# KiCad board TRS80_Model_I_Jap20_E1.kicad_pcb (continued)
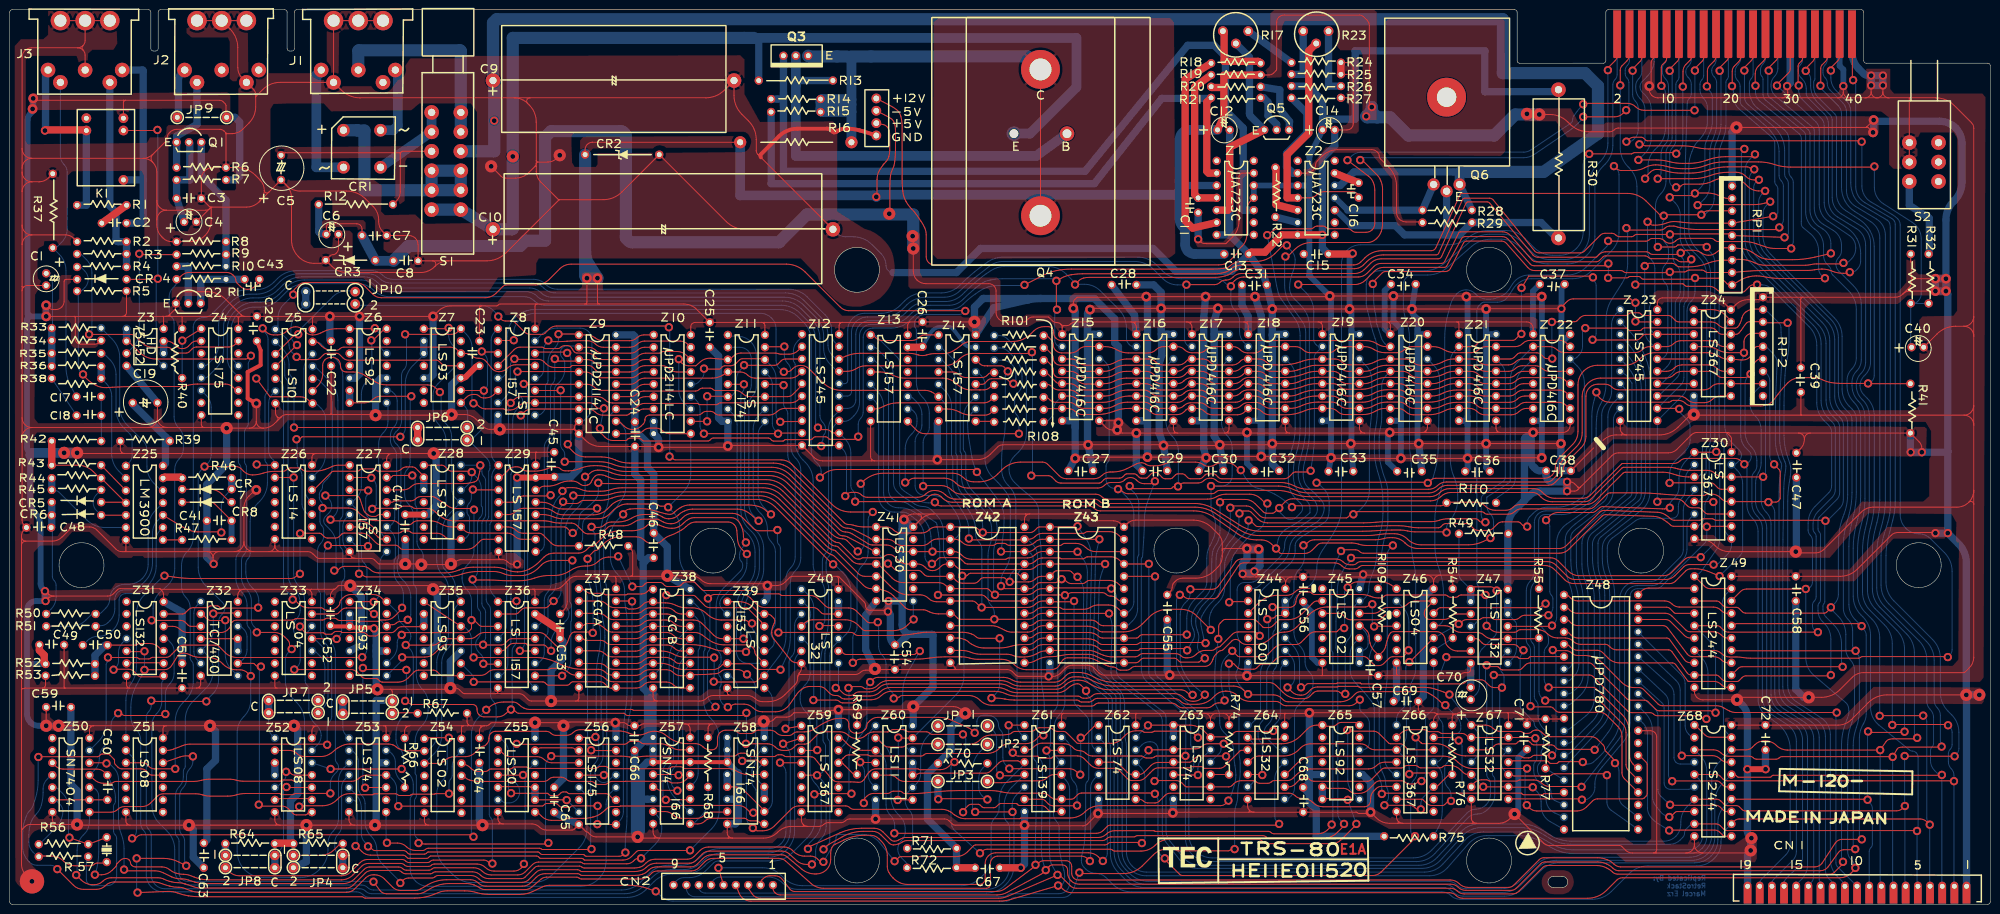
[diagram p0: board, top side]
## Library data of the parts (continued)
Z13 Z14 = -: Datasheet: http://www.ti.com/lit/gpn/sn74LS157; Description: Quad 2 to 1 line Multiplexer; ki_fp_filters: DIP?16*
Z15-Z22 = -: Datasheet: https://wiki.console5.com/tw/images/8/85/MK4116.pdf; Description: 16kBit x 1 Bit Dynamic RAM
Z24 Z59 Z66 = -: Datasheet: https://www.ti.com/lit/ds/symlink/sn74ls367a.pdf; Description: Hex buffer 3-State outputs; ki_fp_filters: DIP*W7.62mm*
Z25 = -: Datasheet: https://www.ti.com/lit/ds/symlink/lm3900.pdf; ki_fp_filters: SOIC*3.9x4.9mm*P1.27mm* DIP*W7.62mm* MSOP*3x3mm*P0.65mm* SSOP*2.95x2.8mm*P0.65mm* TSSOP*3x3mm*P0.65mm* VSSOP*P0.5mm* TO?99*
Z26 = -: Datasheet: http://www.ti.com/lit/gpn/sn74LS14; Description: Hex inverter schmitt trigger; ki_fp_filters: DIP*W7.62mm*
Z30 = -: Datasheet: https://www.ti.com/lit/ds/symlink/sn74ls367a.pdf; ki_fp_filters: DIP*W7.62mm*
Z31 = -: Datasheet: http://www.ti.com/lit/gpn/sn74LS132; ki_fp_filters: DIP*W7.62mm*
Z32 = -: Datasheet: http://www.ti.com/lit/gpn/sn74ls00; ki_fp_filters: DIP*W7.62mm* SO14*
Z33 Z46 Z50 = -: Datasheet: http://www.ti.com/lit/gpn/sn74LS04; Description: Hex Inverter; ki_fp_filters: DIP*W7.62mm* SSOP?14* TSSOP?14*
Z39 = -: Datasheet: http://www.ti.com/lit/gpn/sn74LS153; ki_fp_filters: DIP?16*
Z40 Z64 = -: Datasheet: http://www.ti.com/lit/gpn/sn74LS32; Description: Quad 2-input OR; ki_fp_filters: DIP?14*
Z41 = -: Datasheet: http://www.ti.com/lit/gpn/sn74LS30; Description: 8-input NAND; ki_fp_filters: DIP*W7.62mm*
Z42 = -: Datasheet: https://archive.org/details/mos_2364_rom_feb_1980
Z43 = -: Datasheet: http://archive.6502.org/datasheets/mos_2332_rom_feb_1980.pdf; Description: 2332 32kBit (4kb x 8) PROM
Z44 = -: Datasheet: http://www.ti.com/lit/gpn/sn74ls00; Description: quad 2-input NAND gate; ki_fp_filters: DIP*W7.62mm* SO14*
Z45 = -: Datasheet: http://www.ti.com/lit/gpn/sn74ls02; Description: quad 2-input NOR gate; ki_fp_filters: SO14* DIP*W7.62mm*
Z47 = -: Datasheet: http://www.ti.com/lit/gpn/sn74LS132; Description: Quad 2-input NAND Schmitt trigger; ki_fp_filters: DIP*W7.62mm*
Z48 = -: Datasheet: https://www.zilog.com/docs/z80/um0080.pdf
Z49 Z68 = -: Datasheet: http://www.ti.com/lit/ds/symlink/sn74ls244.pdf; Description: Octal Buffer and Line Driver With 3-State Output, active-low enables, non-inverting outputs; ki_fp_filters: DIP?20*
Z51 Z52 = -: Datasheet: http://www.ti.com/lit/gpn/sn74LS08; Description: Quad And2; ki_fp_filters: DIP*W7.62mm*
Z53 Z63 = -: Datasheet: 74xx/74hc_hct74.pdf; ki_fp_filters: DIP*W7.62mm*
Z54 = -: Datasheet: http://www.ti.com/lit/gpn/sn74ls02; ki_fp_filters: SO14* DIP*W7.62mm*
Z55 = -: Datasheet: http://www.ti.com/lit/gpn/sn74LS20; ki_fp_filters: DIP?12*
Z56 = -: Datasheet: http://www.ti.com/lit/gpn/sn74LS175; ki_fp_filters: DIP?16*
Z57 Z58 = -: Datasheet: http://www.ti.com/lit/gpn/sn74LS166; ki_fp_filters: DIP?16*
Z60 = -: Datasheet: http://www.ti.com/lit/gpn/sn74LS11; Description: Triple 3-input AND; ki_fp_filters: DIP*W7.62mm*
Z61 = -: Datasheet: http://www.ti.com/lit/ds/symlink/sn74ls139a.pdf; Description: Dual Decoder 1 of 4, Active low outputs; ki_fp_filters: DIP?16*
Z62 = -: Datasheet: 74xx/74hc_hct74.pdf; Description: Dual D Flip-flop, Set & Reset; ki_fp_filters: DIP*W7.62mm*
Z67 = -: Datasheet: http://www.ti.com/lit/gpn/sn74LS32; ki_fp_filters: DIP?14*

## Footprints (pads in the part's own frame, mm; a bottom-side part is the same pattern mirrored in y, then rotated)
TRS80_Model_I_C_Disc_9.5L_4W_6P_Jap
  round 1.7 hole 1: 1(-2.493,0.036) 2(2.587,0.036)
TRS80_Model_I_C_Disc_9.5L_4W_6P_Small_Jap
  round 1.7 hole 1: 1(-1.571,0) 2(1.477,0)
TRS80_Model_I_C_Disc_9.5L_4W_6P_Small_Jap#2
  round 1.7 hole 1: 1(-1.905,0) 2(1.905,0)
TRS80_Model_I_C_Pol_Axial_41L_19W_48P_Jap
  round 3 hole 1.5: 1(-24.511,0) 2(25.019,0)
TRS80_Model_I_C_Pol_Axial_63L_25W_71P_Jap
  round 3 hole 1.5: 1(-34.798,0) 2(35.052,0)
TRS80_Model_I_C_Pol_Radial_5D_2.5P_Jap
  round 1.7 hole 1: 1(-1.25,0) 2(1.25,0)
TRS80_Model_I_C_Pol_Radial_10D_5P_Jap
  round 1.7 hole 1: 1(-2.54,0) 2(2.54,0)
TRS80_Model_I_Crystal_Jap
  round 1.7 hole 1: 1(-2.526,0) 2(2.554,0)
TRS80_Model_I_D_Bridge_Jap
  round 2.6 hole 1.5: 1(-4.128,3.619) 2(3.493,3.619) 3(-4.128,-4) 4(3.493,-4)
TRS80_Model_I_D_Jap
  round 1.7 hole 1: 1(-5.08,0) 2(5.08,0)
TRS80_Model_I_D_Zener_Jap
  round 1.7 hole 1: 1(-5.029,0) 2(5.131,0)
TRS80_Model_I_D_Zener_Long_Jap
  round 1.7 hole 1: 1(-7.684,0) 2(7.556,0)
TRS80_Model_I_DIN5_Jap
  round 3 hole 1.5: 1(7.747,3.556) 2(0.127,3.556) 3(-7.493,3.556) 4(5.207,6.096) 5(-4.953,6.096)
  round 4 hole 2.5: 5(-4.953,-6.604) 5(0.127,-6.604) 5(5.207,-6.604)
TRS80_Model_I_DIN5_Jap#2
  round 3 hole 1.5: 1(7.747,3.556) 2(0.127,3.556) 3(-7.493,3.556) 4(5.207,6.096) 5(-4.953,6.096)
  round 4 hole 2.5: 4(-4.953,-6.604) 4(0.127,-6.604) 4(5.207,-6.604)
TRS80_Model_I_DIN5_Jap#3
  round 3 hole 1.5: 1(7.747,3.556) 2(0.127,3.556) 3(-7.493,3.556) 4(5.207,6.096) 5(-4.953,6.096)
  round 4 hole 2.5: 2(-4.953,-6.604) 2(0.127,-6.604) 2(5.207,-6.604)
TRS80_Model_I_DIP8_Jap
  round 1.7 hole 1: 1(-3.81,-3.81) 2(-1.27,-3.81) 3(1.27,-3.81) 4(3.81,-3.81) 5(3.81,3.81) 6(1.27,3.81) 7(-1.27,3.81) 8(-3.81,3.81)
TRS80_Model_I_DIP14_Jap
  round 1.7 hole 1: 1(-7.62,-3.81) 2(-5.08,-3.81) 3(-2.54,-3.81) 4(0,-3.81) 5(2.54,-3.81) 6(5.08,-3.81) 7(7.62,-3.81) 8(7.62,3.81) 9(5.08,3.81) 10(2.54,3.81) 11(0,3.81) 12(-2.54,3.81) 13(-5.08,3.81) 14(-7.62,3.81)
TRS80_Model_I_DIP16_Jap
  round 1.7 hole 1: 1(-8.89,-3.81) 2(-6.35,-3.81) 3(-3.81,-3.81) 4(-1.27,-3.81) 5(1.27,-3.81) 6(3.81,-3.81) 7(6.35,-3.81) 8(8.89,-3.81) 9(8.89,3.81) 10(6.35,3.81) 11(3.81,3.81) 12(1.27,3.81) 13(-1.27,3.81) 14(-3.81,3.81) 15(-6.35,3.81) 16(-8.89,3.81)
TRS80_Model_I_DIP18_Jap
  round 1.7 hole 1: 1(-10.16,-3.81) 2(-7.62,-3.81) 3(-5.08,-3.81) 4(-2.54,-3.81) 5(0,-3.81) 6(2.54,-3.81) 7(5.08,-3.81) 8(7.62,-3.81) 9(10.16,-3.81) 10(10.16,3.81) 11(7.62,3.81) 12(5.08,3.81) 13(2.54,3.81) 14(0,3.81) 15(-2.54,3.81) 16(-5.08,3.81) 17(-7.62,3.81) 18(-10.16,3.81)
TRS80_Model_I_DIP20_Jap
  round 1.7 hole 1: 1(-11.43,-3.81) 2(-8.89,-3.81) 3(-6.35,-3.81) 4(-3.81,-3.81) 5(-1.27,-3.81) 6(1.27,-3.81) 7(3.81,-3.81) 8(6.35,-3.81) 9(8.89,-3.81) 10(11.43,-3.81) 11(11.43,3.81) 12(8.89,3.81) 13(6.35,3.81) 14(3.81,3.81) 15(1.27,3.81) 16(-1.27,3.81) 17(-3.81,3.81) 18(-6.35,3.81) 19(-8.89,3.81) 20(-11.43,3.81)
TRS80_Model_I_DIP24_Jap
  round 1.7 hole 1: 1(-13.97,-7.62) 2(-11.43,-7.62) 3(-8.89,-7.62) 4(-6.35,-7.62) 5(-3.81,-7.62) 6(-1.27,-7.62) 7(1.27,-7.62) 8(3.81,-7.62) 9(6.35,-7.62) 10(8.89,-7.62) 11(11.43,-7.62) 12(13.97,-7.62) 13(13.97,7.62) 14(11.43,7.62) 15(8.89,7.62) 16(6.35,7.62) 17(3.81,7.62) 18(1.27,7.62) 19(-1.27,7.62) 20(-3.81,7.62) 21(-6.35,7.62) 22(-8.89,7.62) 23(-11.43,7.62) 24(-13.97,7.62)
TRS80_Model_I_DIP40_Jap
  round 1.7 hole 1: 1(-24.13,-7.62) 2(-21.59,-7.62) 3(-19.05,-7.62) 4(-16.51,-7.62) 5(-13.97,-7.62) 6(-11.43,-7.62) 7(-8.89,-7.62) 8(-6.35,-7.62) 9(-3.81,-7.62) 10(-1.27,-7.62) 11(1.27,-7.62) 12(3.81,-7.62) 13(6.35,-7.62) 14(8.89,-7.62) 15(11.43,-7.62) 16(13.97,-7.62) 17(16.51,-7.62) 18(19.05,-7.62) 19(21.59,-7.62) 20(24.13,-7.62) 21(24.13,7.62) 22(21.59,7.62) 23(19.05,7.62) 24(16.51,7.62) 25(13.97,7.62) 26(11.43,7.62) 27(8.89,7.62) 28(6.35,7.62) 29(3.81,7.62) 30(1.27,7.62) 31(-1.27,7.62) 32(-3.81,7.62) 33(-6.35,7.62) 34(-8.89,7.62) 35(-11.43,7.62) 36(-13.97,7.62) 37(-16.51,7.62) 38(-19.05,7.62) 39(-21.59,7.62) 40(-24.13,7.62)
TRS80_Model_I_Edge_Connector_Jap
  rrect 1.6x9.8 smd far side: 1(-22.86,0) 3(-20.32,0) 5(-17.78,0) 7(-15.24,0) 9(-12.7,0) 11(-10.16,0) 13(-7.62,0) 15(-5.08,0) 17(-2.54,0) 19(0,0) 21(2.54,0) 23(5.08,0) 25(7.62,0) 27(10.16,0) 29(12.7,0) 31(15.24,0) 33(17.78,0) 35(20.32,0) 37(22.86,0) 39(25.4,0)
  rrect 1.6x9.8 smd: 2(-22.86,0) 4(-20.32,0) 6(-17.78,0) 8(-15.24,0) 10(-12.7,0) 12(-10.16,0) 14(-7.62,0) 16(-5.08,0) 18(-2.54,0) 20(0,0) 22(2.54,0) 24(5.08,0) 26(7.62,0) 28(10.16,0) 30(12.7,0) 32(15.24,0) 34(17.78,0) 36(20.32,0) 38(22.86,0) 40(25.4,0)
TRS80_Model_I_Jumper_2_Open_Jap
  round 2 hole 1: 1(-5.08,-0.022) 2(5.08,-0.022)
TRS80_Model_I_Jumper_3_Open_HFlipped_Big_Jap
  round 2 hole 1: 1(5.08,1.248) 2(-5.08,1.248) 2(-5.08,-1.292) 3(5.08,-1.292)
TRS80_Model_I_Jumper_3_Open_HFlipped_Jap
  round 2 hole 1: 1(5.08,1.248) 2(-5.08,1.248) 2(-5.08,-1.292) 3(5.08,-1.292)
TRS80_Model_I_Jumper_3_Open_HFlipped_VFlipped_Jap
  round 2 hole 1: 1(5.08,-1.292) 2(-5.08,1.248) 2(-5.08,-1.292) 3(5.08,1.248)
TRS80_Model_I_Jumper_3_Open_Jap
  round 2 hole 1: 1(-5.08,1.248) 2(5.08,1.248) 2(5.08,-1.292) 3(-5.08,-1.292)
TRS80_Model_I_Keyboard_Connector_Jap
  rrect 1.6x4.5 hole 1: 1(22.5,0) 2(20,0) 3(17.5,0) 4(15,0) 5(12.5,0) 6(10,0) 7(7.5,0) 8(5,0) 9(2.5,0) 10(0,0) 11(-2.5,0) 12(-5,0) 13(-7.5,0) 14(-10,0) 15(-12.5,0) 16(-15,0) 17(-17.5,0) 18(-20,0) 19(-22.5,0)
TRS80_Model_I_Keyboard_Connector_Small_Jap
  round 1.7 hole 1: 1(10.16,0) 2(7.62,0) 3(5.08,0) 4(2.54,0) 5(0,0) 6(-2.54,0) 7(-5.08,0) 8(-7.62,0) 9(-10.287,0)
TRS80_Model_I_Q_Box_BCE_Jap
  round 1.7 hole 1: 1(-2.688,-0.011) 2(-0.147,-0.011) 3(2.393,-0.011)
TRS80_Model_I_Q_Circle_ECB_Jap
  round 1.7 hole 1: 1(-2.54,0) 2(0,0) 3(2.54,0)
TRS80_Model_I_Q_Heatsink_Large_BEC_Jap
  round 3 hole 1.8: 1(5.436,1.524) 2(-5.475,1.524)
  round 8 hole 4.5: 3(-0.014,14.732) 3(-0.014,-15.367)
TRS80_Model_I_Q_Heatsink_Small_BCE_Jap
  round 2.5 hole 1.5: 1(-2.667,-17.945) 2(0,-19.341) 3(2.667,-17.945)
  round 8 hole 4: 4(0,0)
TRS80_Model_I_R_0.5W_Jap
  round 1.7 hole 1: 1(-7.62,0.041) 2(7.62,0.041)
TRS80_Model_I_R_0.25W_Jap
  round 1.7 hole 1: 1(-5.08,0.064) 2(5.08,0.064)
TRS80_Model_I_R_2W_Jap
  round 2.5 hole 1.25: 1(-11.43,0) 2(11.43,0)
TRS80_Model_I_R_3W_Jap
  round 3 hole 1.5: 1(-15.875,0) 2(14.625,0)
TRS80_Model_I_R_Array_09_Jap
  round 1.7 hole 1: 1(-10.16,0) 2(-7.62,0) 3(-5.08,0) 4(-2.54,0) 5(0,0) 6(2.54,0) 7(5.08,0) 8(7.62,0) 9(10.16,0)
TRS80_Model_I_R_Pot_Jap
  round 2 hole 1.2: 1(-2.667,0.762) 2(0,-1.778) 3(2.54,0.762)
TRS80_Model_I_Relay_Jap
  round 2 hole 1: 1(3.603,6.064) 2(3.603,3.524) 3(3.603,-6.636) 4(-4.016,3.524) 5(-4.016,6.064)
TRS80_Model_I_Sw_Large_Jap
  round 3 hole 1.5: 1(-10.241,2.831) 2(-6.241,2.831) 3(-2.241,2.831) 4(1.759,2.831) 5(5.759,2.831) 6(9.759,2.831) 7(9.759,-3.169) 8(5.759,-3.169) 9(1.759,-3.169) 10(-2.241,-3.169) 11(-6.241,-3.169) 12(-10.241,-3.169)
TRS80_Model_I_Sw_Small_Jap
  round 3 hole 1.5: 1(-2.476,3) 2(1.524,3) 3(5.524,3) 4(5.524,-3) 5(1.524,-3) 6(-2.476,-3)
TRS80_Model_I_TestPoints
  round 2 hole 1.2: 1(0.032,3.81) 2(0.032,1.27) 3(0.032,-1.27) 4(0.032,-3.81)

## Nets
+5V: C12.1 C13.1 C20.1 C22.1 C23.1 C24.1 C25.1 C26.1 C29.1 C32.1 C35.1 C38.1 C39.1 C44.1 C45.1 C46.1 C47.1 C49.1 C51.1 C52.1 C53.1 C54.1 C55.1 C56.1 C58.1 C59.1 C63.1 C64.1 C65.1 C66.1 C67.1 C68.1 C69.1 C71.1 C72.1 CN1.1 CR2.1 CR4.1 JP9.1 K1.1 Q2.1 R5.2 R7.1 R16.2 R19.1 R20.2 R31.1 R34.2 R39.2 R40.1 R41.1 R48.1 R49.1 R52.2 R54.1 R55.1 R64.1 R65.2 R66.2 R67.2 R68.2 R69.1 R70.2 R71.2 R72.2 R74.1 R75.1 R76.1 R77.1 RP1.1 RP2.1 TP1.3 Z1.3 Z3.8 Z4.16 Z5.14 Z6.5 Z7.5 Z8.16 Z9.18 Z10.18 Z11.16 Z12.20 Z13.16 Z14.16 Z15.9 Z16.9 Z17.9 Z18.9 Z19.9 Z20.9 Z21.9 Z22.9 Z23.20 Z24.16 Z26.14 Z27.16 Z28.5 Z29.16 Z30.16 Z31.14 Z32.14 Z33.14 Z34.5 Z35.5 Z36.16 Z37.18 Z38.18 Z39.16 Z40.14 Z41.14 Z42.24 Z43.24 Z44.14 Z45.14 Z46.14 Z47.14 Z48.11 Z49.20 Z50.14 Z51.14 Z52.14 Z53.14 Z54.14 Z55.14 Z56.16 Z57.16 Z58.16 Z59.16 Z60.14 Z61.16 Z62.14 Z63.14 Z64.14 Z65.5 Z66.16 Z67.14 Z68.20
+12V: C14.1 C15.1 C27.1 C30.1 C33.1 C36.1 R26.1 R30.1 TP1.1 Z1.11 Z1.12 Z2.3 Z15.8 Z16.8 Z17.8 Z18.8 Z19.8 Z20.8 Z21.8 Z22.8
-5V: C6.2 C7.1 C8.1 C28.1 C31.1 C34.1 C37.1 CR3.2 R12.1 TP1.2 Z15.1 Z16.1 Z17.1 Z18.1 Z19.1 Z20.1 Z21.1 Z22.1
GND: C1.2 C3.2 C4.2 C5.1 C6.1 C7.2 C8.2 C9.2 C10.2 C12.2 C13.2 C14.2 C15.2 C19.1 C20.2 C22.2 C23.2 C24.2 C25.2 C26.2 C27.2 C28.2 C29.2 C30.2 C31.2 C32.2 C33.2 C34.2 C35.2 C36.2 C37.2 C38.2 C39.2 C40.2 C41.1 C44.2 C45.2 C46.2 C47.2 C48.1 C49.2 C51.2 C52.2 C53.2 C54.2 C55.2 C56.2 C57.1 C58.2 C59.2 C63.2 C64.2 C65.2 C66.2 C67.2 C68.2 C69.2 C70.2 C71.2 C72.2 CN1.19 CR2.2 CR3.1 J1.4 J2.5 J3.2 J4.8 J4.29 J4.37 J4.39 JP4.3 JP5.1 R2.1 R6.2 R8.2 R24.2 R25.2 R27.2 R37.1 R53.1 S2.5 S2.6 TP1.4 Z1.7 Z2.7 Z3.4 Z4.8 Z5.7 Z6.10 Z7.10 Z8.8 Z8.15 Z9.8 Z9.9 Z10.8 Z10.9 Z11.8 Z12.10 Z13.8 Z13.15 Z14.8 Z14.15 Z15.16 Z16.16 Z17.16 Z18.16 Z19.16 Z20.16 Z21.16 Z22.16 Z23.10 Z23.19 Z24.8 Z25.7 Z26.7 Z27.5 Z27.8 Z27.15 Z28.10 Z29.8 Z29.15 Z30.8 Z31.7 Z32.7 Z33.7 Z34.2 Z34.3 Z34.10 Z35.10 Z36.8 Z36.15 Z37.9 Z38.9 Z39.1 Z39.8 Z39.15 Z40.7 Z41.7 Z42.12 Z43.12 Z44.7 Z45.7 Z46.7 Z47.7 Z48.29 Z49.10 Z50.7 Z51.7 Z52.7 Z53.7 Z53.12 Z54.7 Z55.7 Z56.8 Z57.1 Z57.2 Z57.3 Z57.6 Z57.8 Z57.14 Z58.1 Z58.2 Z58.3 Z58.6 Z58.8 Z59.8 Z60.7 Z61.8 Z62.7 Z63.7 Z64.7 Z65.10 Z66.8 Z66.15 Z67.7 Z68.10
/A0: CN1.5 J4.25 Z14.2 Z36.11 Z41.6 Z42.8 Z43.8 Z68.9
/A1: CN1.4 J4.27 Z14.5 Z36.2 Z41.5 Z42.7 Z43.7 Z68.12
/A2: CN1.6 J4.40 Z14.11 Z36.14 Z41.4 Z42.6 Z43.6 Z68.7
/A3: CN1.9 J4.34 Z14.14 Z36.5 Z41.3 Z42.5 Z43.5 Z68.14
/A4: CN1.2 J4.31 Z13.2 Z29.11 Z41.11 Z42.4 Z43.4 Z68.5
/A5: CN1.3 J4.35 Z13.5 Z29.2 Z41.12 Z42.3 Z43.3 Z68.16
/A6: CN1.7 J4.38 Z8.11 Z13.11 Z41.2 Z42.2 Z43.2 Z68.3
/A7: CN1.8 J4.36 Z8.14 Z14.3 Z41.1 Z42.1 Z43.1 Z68.18
/A8: CN2.1 J4.11 Z8.2 Z14.6 Z42.23 Z43.23 Z49.14
/A9: CN2.2 J4.17 Z8.5 Z14.10 Z42.22 Z43.22 Z49.16
/A10: CN2.3 J4.4 Z14.13 Z42.19 Z43.19 Z49.18 Z61.14
/A11: CN2.4 J4.9 Z13.3 Z42.18 Z43.18 Z49.3 Z61.13
/A12: J4.5 Z13.6 Z42.21 Z43.21 Z49.5 Z61.2
/A13: J4.6 Z13.10 Z49.7 Z61.3
/A14: J4.10 Z44.12 Z44.13 Z49.12 Z64.1
/A15: J4.7 Z49.9 Z64.5
/Address Decoder/~{CS1}: CN2.5 Z60.10 Z60.11 Z61.4
/Address Decoder/~{CS2}: CN2.6 JP1.1 Z61.5
/Address Decoder/~{CS3}: CN2.7 JP2.1 Z61.6
/Address Decoder/~{CS4}: CN2.8 JP3.1 Z61.12
/Address Decoder/~{KYBD}: CN1.10 Z60.4 Z61.10
/Address Decoder/~{MEM}: Z24.1 Z24.15 Z30.15 Z40.8
/Address Decoder/~{RAM}: Z59.15 Z60.3 Z64.11
/Address Decoder/~{RAS}: J4.1 Z64.4 Z66.3 Z66.12
/Address Decoder/~{RD}: J4.15 Z29.5 Z30.5 Z40.10
/Address Decoder/~{ROMA}: Z42.20 Z60.8 Z60.13
/Address Decoder/~{ROMB}: JP2.2 R72.1 Z43.20 Z60.2
/Address Decoder/~{VID}: Z8.1 Z29.1 Z36.1 Z53.10 Z61.9
/Cassette Interface/CASSIN: C17.1 J3.4 R37.2
/Cassette Interface/CASSOUT: J3.5 R2.2 R3.2 R4.1
/Cassette Interface/MODESEL: Z4.6 Z27.1 Z59.2
/Cassette Interface/~{CGA}: Z37.17 Z53.5
/Cassette Interface/~{CGB}: Z38.17 Z53.6
/Cassette Interface/~{INSIG}: Z40.3 Z59.1
/Cassette Interface/~{OUTSIG}: Z4.9 Z31.5 Z40.6 Z53.3
/Clock/CLK_DIV2: Z27.2 Z65.12
/Clock/~{CLK_EN}: Z6.6 Z6.7 Z46.8 Z65.6 Z65.7
/CPU Gating/MUX: J4.16 Z13.1 Z14.1 Z66.5
/CPU Gating/ZA0: Z48.30 Z68.11
/CPU Gating/ZA1: Z48.31 Z68.8
/CPU Gating/ZA2: Z48.32 Z68.13
/CPU Gating/ZA3: Z48.33 Z68.6
/CPU Gating/ZA4: Z48.34 Z68.15
/CPU Gating/ZA5: Z48.35 Z68.4
/CPU Gating/ZA6: Z48.36 Z68.17
/CPU Gating/ZA7: Z48.37 Z68.2
/CPU Gating/ZA8: Z48.38 Z49.6
/CPU Gating/ZA9: Z48.39 Z49.4
/CPU Gating/ZA10: Z48.40 Z49.2
/CPU Gating/ZA11: Z48.1 Z49.17
/CPU Gating/ZA12: Z48.2 Z49.15
/CPU Gating/ZA13: Z48.3 Z49.13
/CPU Gating/ZA14: Z48.4 Z49.8
/CPU Gating/ZA15: Z48.5 Z49.11
/CPU Gating/ZD0: Z23.3 Z48.14
/CPU Gating/ZD1: Z23.2 Z48.15
/CPU Gating/ZD2: Z23.5 Z48.12
/CPU Gating/ZD3: Z23.9 Z48.8
/CPU Gating/ZD4: Z23.8 Z48.7
/CPU Gating/ZD5: Z23.7 Z48.9
/CPU Gating/ZD6: Z23.6 Z48.10
/CPU Gating/ZD7: Z23.4 Z48.13
/CPU Gating/ZMUX: Z62.12 Z63.9 Z66.4
/CPU Gating/~{CAS}: J4.3 Z59.14 Z66.7
/CPU Gating/~{DBIN}: Z23.1 Z47.11
/CPU Gating/~{IN}: J4.19 Z30.9 Z40.1
/CPU Gating/~{OUT}: J4.12 Z30.7 Z40.5
/CPU Gating/~{TEST}: J4.23 R55.2 Z46.11 Z47.10 Z48.25
/CPU Gating/~{WR}: J4.13 R110.2 Z29.14 Z30.3
/CPU Gating/~{ZCAS}: Z62.8 Z66.6
/CPU Gating/~{ZIN}: Z30.10 Z67.8
/CPU Gating/~{ZOUT}: Z30.6 Z67.6
/CPU Gating/~{ZRAS}: Z48.19 Z66.2 Z67.2 Z67.13
/CPU Gating/~{ZRD}: Z30.4 Z67.11
/CPU Gating/~{ZWR}: Z30.2 Z67.3
/CPU/CLK: Z27.3 Z50.8 Z62.11 Z63.3 Z63.11 Z65.1 Z65.14
/CPU/CLK_DIV6: Z65.8 Z66.14
/CPU/HI: R74.2 Z62.4 Z62.10 Z63.4 Z63.10
/CPU/MREQ: Z44.8 Z62.13 Z63.1 Z63.2 Z63.13
/CPU/ZCLK: R75.2 Z48.6 Z66.13
/CPU/~{INTAK}: J4.14 Z64.8
/CPU/~{INT}: J4.21 R77.2 Z48.16
/CPU/~{SYSRES}: CN2.9 J4.2 Z45.13
/CPU/~{WAIT}: J4.33 R41.2 Z48.24
/D0: J4.30 RP1.7 Z4.13 Z12.12 Z22.2 Z23.17 Z24.13
/D1: J4.22 RP1.4 Z4.12 Z12.11 Z21.2 Z23.18 Z24.3
/D2: J4.32 RP1.8 Z4.4 Z12.18 Z20.2 Z23.15 Z24.11
/D3: J4.26 RP1.9 Z4.5 Z12.17 Z19.2 Z23.11 Z30.11
/D4: J4.18 RP1.2 Z12.16 Z18.2 Z23.12 Z30.13
/D5: J4.28 RP1.6 Z12.15 Z17.2 Z23.13 Z24.9
/D6: J4.24 RP1.5 Z12.14 Z16.2 Z23.14 Z24.7 Z59.3
/D7: J4.20 RP1.3 Z12.13 Z15.2 Z23.16 Z24.5 Z53.2 Z59.5
/Keyboard/KBD0: CN1.11 RP2.3 Z22.14 Z24.14 Z42.9 Z43.9
/Keyboard/KBD1: CN1.12 RP2.2 Z21.14 Z24.2 Z42.10 Z43.10
/Keyboard/KBD2: CN1.13 RP2.5 Z20.14 Z24.12 Z42.11 Z43.11
/Keyboard/KBD3: CN1.14 RP2.7 Z19.14 Z30.12 Z42.13 Z43.13
/Keyboard/KBD4: CN1.15 RP2.9 Z18.14 Z30.14 Z42.14 Z43.14
/Keyboard/KBD5: CN1.16 RP2.8 Z17.14 Z24.10 Z42.15 Z43.15
/Keyboard/KBD6: CN1.17 RP2.6 Z16.14 Z24.6 Z42.16 Z43.16
/Keyboard/KBD7: CN1.18 RP2.4 Z15.14 Z24.4 Z42.17 Z43.17
/Video/Video Access Multiplexer/C0: Z27.7 Z36.10
/Video/Video Access Multiplexer/C1: Z27.13 Z34.9 Z36.3
/Video/Video Access Multiplexer/C2: Z27.14 Z28.14 Z34.8 Z36.13
/Video/Video Access Multiplexer/C3: Z28.1 Z28.12 Z36.6 Z46.1
/Video/Video Access Multiplexer/C4: Z5.10 Z28.9 Z29.10 Z51.13
/Video/Video Access Multiplexer/C5: Z5.11 Z28.8 Z29.3
/Video/Video Access Multiplexer/R0: Z7.14 Z8.10 Z33.13 Z34.12 Z44.1
/Video/Video Access Multiplexer/R1: JP7.1 Z5.13 Z7.1 Z7.12 Z8.13 Z33.11
/Video/Video Access Multiplexer/R2: JP6.1 JP8.3 Z7.9 Z8.3
/Video/Video Access Multiplexer/R3: JP6.3 Z7.8 Z8.6
/Video/Video Access Multiplexer/VA0: Z9.5 Z10.5 Z36.9
/Video/Video Access Multiplexer/VA1: Z9.6 Z10.6 Z36.4
/Video/Video Access Multiplexer/VA2: Z9.7 Z10.7 Z36.12
/Video/Video Access Multiplexer/VA3: Z9.4 Z10.4 Z36.7
/Video/Video Access Multiplexer/VA4: Z9.3 Z10.3 Z29.9
/Video/Video Access Multiplexer/VA5: Z9.2 Z10.2 Z29.4
/Video/Video Access Multiplexer/VA6: Z8.9 Z9.1 Z10.1
/Video/Video Access Multiplexer/VA7: Z8.12 Z9.17 Z10.17
/Video/Video Access Multiplexer/VA8: Z8.4 Z9.16 Z10.16
/Video/Video Access Multiplexer/VA9: Z8.7 Z9.15 Z10.15
/Video/Video Access Multiplexer/~{VRD}: Z29.7 Z51.1
/Video/Video Access Multiplexer/~{VWR}: Z9.10 Z10.10 Z29.12 Z40.12 Z40.13 Z51.2
/Video/Video Counter/DOT_CLK: Z27.9 Z34.1
/Video/Video Counter/HDRV: Z5.9 Z28.11 Z35.14 Z54.3 Z62.1
/Video/Video Counter/L0: Z35.1 Z35.12 Z37.11 Z38.11 Z45.2
/Video/Video Counter/L1: Z35.9 Z37.10 Z38.10
/Video/Video Counter/L2: JP10.1 Z5.3 Z35.8 Z37.8 Z38.8 Z39.14
/Video/Video Counter/L3: Z5.5 Z34.14 Z35.11 Z39.2 Z52.12 Z56.12
/Video/Video Counter/VDRV: Z5.1 Z7.11 Z44.2 Z52.2 Z54.2
/Video/Video Generator/GRAPHICS: Z55.13 Z56.2
/Video/Video Generator/LB0: Z11.15 Z37.7 Z38.7 Z39.6
/Video/Video Generator/LB1: Z11.12 Z37.6 Z38.6 Z39.10
/Video/Video Generator/LB2: Z11.2 Z37.5 Z38.5 Z39.5
/Video/Video Generator/LB3: Z11.7 Z37.4 Z38.4 Z39.11
/Video/Video Generator/LB4: Z11.5 Z37.3 Z38.3 Z39.4
/Video/Video Generator/LB5: Z11.10 Z37.2 Z38.2 Z39.12
/Video/Video Generator/LB6: Z37.1 Z38.1 Z56.15
/Video/Video Generator/PIXEL: Z3.1 Z3.2 Z54.13
/Video/Video Generator/SHIFT: Z6.14 Z27.4 Z50.13
/Video/Video Generator/~{BLANK}: Z55.5 Z55.9 Z55.10 Z56.7
/Video/Video Generator/~{CHARGAP}: Z55.1 Z56.11
/Video/Video Generator/~{GRAPHICS}: Z55.2 Z56.3
/Video/Video Generator/~{LATCH}: Z11.9 Z31.11 Z50.11 Z53.11 Z56.9
/Video/Video Latch/VD0: Z10.14 Z11.14 Z12.8
/Video/Video Latch/VD1: Z10.13 Z11.13 Z12.9
/Video/Video Latch/VD2: Z10.12 Z11.3 Z12.2
/Video/Video Latch/VD3: Z10.11 Z11.6 Z12.3
/Video/Video Latch/VD4: Z9.14 Z11.4 Z12.4
/Video/Video Latch/VD5: Z9.13 Z11.11 Z12.5
/Video/Video Latch/VD6: Z9.12 Z12.6 Z56.13
/Video/Video Latch/VD7: Z9.11 Z12.7 Z56.4
/Video/Video Latch/~{VCLR}: Z11.1 Z53.8 Z56.1
/Video/Video Mixer/SYNC: C43.2 R11.1 Z32.3
/Video/Video Mode/HCLK: Z27.12 Z62.3
Net-(C1-Pad1): C1.1 R33.1 R34.1 R35.1 R36.2
Net-(C2-Pad1): C2.1 R1.1
Net-(C2-Pad2): C2.2 J3.3 K1.3
Net-(C5-Pad2): C5.2 R12.2 S1.10
Net-(C17-Pad2): C17.2 C18.1 R42.1
Net-(C18-Pad2): C18.2 R38.1
Net-(C40-Pad1): C40.1 R31.2 R32.1 Z47.4
Net-(C50-Pad1): C50.1 R52.1 R53.2 Z31.10
Net-(C50-Pad2): C50.2 Z25.9
Net-(C57-Pad2): C57.2 Z45.8 Z45.9 Z45.11 Z47.6
Net-(C60-Pad1): C60.1 R57.1 Z50.3
Net-(C60-Pad2): C60.2 R56.2 Z50.6 Z50.9
Net-(C70-Pad1): C70.1 R49.2 Z47.1 Z47.2
Net-(CR1-+): CR1.1 S1.4 S1.5 S1.8 S1.9
Net-(CR1--): CR1.4 S1.11 S1.12
Net-(CR1-Pad2): CR1.2 J1.3
Net-(CR1-Pad3): CR1.3 J1.1
Net-(CR4-A): CR4.2 K1.2 Z3.5
Net-(CR5-A): CR5.2 R42.2 R43.1 R44.1 Z25.4
Net-(CR5-K): C48.2 CR5.1 CR6.1 R50.1
Net-(CR6-A): CR6.2 R45.2 Z25.5
Net-(CR7-A): CR7.2 R46.1 R51.2 Z25.10
Net-(CR7-K): CR7.1 CR8.2
Net-(CR8-K): C41.2 CR8.1 R47.1
Net-(J1-Pad2): J1.2 S1.1 S1.2
Net-(J3-Pad1): J3.1 K1.4 R1.2
Net-(JP1-B): JP1.2 R71.1 Z60.9
Net-(JP3-B): JP3.2 R70.1 Z60.5
Net-(JP4-A-Pad1): JP4.1 R65.1
Net-(JP4-B): JP4.2 Z53.4
Net-(JP5-A-Pad3): JP5.3 R67.1
Net-(JP5-B): JP5.2 Z53.1
Net-(JP6-B): JP6.2 Z5.2
Net-(JP7-A-Pad3): JP7.3 Z33.10
Net-(JP7-B): JP7.2 Z52.1
Net-(JP8-A-Pad1): JP8.1 R64.2
Net-(JP8-B): JP8.2 Z52.10
Net-(JP9-B): J2.1 JP9.2
Net-(JP10-A-Pad3): JP10.3 Z46.4
Net-(JP10-B): JP10.2 Z5.4
Net-(Q1-B): Q1.3 R8.1 R9.1 R10.2
Net-(Q1-C): C3.1 C4.1 Q1.2 R7.2
Net-(Q1-E): J2.4 Q1.1 R6.1
Net-(Q2-B): C43.1 Q2.3 R11.2
Net-(Q2-C): Q2.2 R10.1
Net-(Q3-B): Q3.1 R14.1 Z1.10
Net-(Q3-C): Q3.2 Q4.1 R13.2
Net-(Q3-E): Q3.3 Q4.3 R14.2 R15.1 R16.1
Net-(Q4-E): C10.1 Q4.2 R13.1 S1.6 S1.7
Net-(Q5-B): Q5.3 R20.1
Net-(Q5-C): Q5.2 R21.2
Net-(Q5-E): Q5.1 R17.2 Z1.5
Net-(Q6-B): Q6.1 R28.2 Z2.11
Net-(Q6-C): Q6.2 R29.1 R30.2 Z2.10
Net-(Q6-E): C9.1 Q6.3 R28.1 S1.3 Z2.12
Net-(R17-Pad1): R17.1 R18.1
Net-(R17-Pad3): R17.3 R24.1
Net-(R23-Pad1): R23.1 R25.1
Net-(R23-Pad3): R23.3 R26.2
Net-(R32-Pad2): R32.2 S2.4
Net-(R54-Pad2): R54.2 Z46.9
Net-(R56-Pad1): R56.1 Y1.2 Z50.5
Net-(R57-Pad2): R57.2 Y1.1 Z50.4
Net-(R101-Pad2): R69.2 R101.2 Z59.13
Net-(R109-Pad2): R76.2 R109.2 Z66.11
Net-(Z1--): C11.1 R19.2 Z1.4
Net-(Z1-FC): C11.2 Z1.13
Net-(Z1-ILIM): R15.2 R21.1 Z1.2
Net-(Z1-VREF): R18.2 Z1.6
Net-(Z2-+): R22.2 Z2.5
Net-(Z2--): C16.2 R23.2 Z2.4
Net-(Z2-FC): C16.1 Z2.13
Net-(Z2-ILIM): R27.1 R29.2 Z2.2
Net-(Z2-VREF): R22.1 Z2.6
Net-(Z3A-1Y): R9.2 Z3.3
Net-(Z3B-2A): Z3.6 Z3.7 Z4.2
Net-(Z4-Q3): R3.1 Z4.15
Net-(Z4-~{Mr}): R40.2 Z4.1
Net-(Z4-~{Q2}): R4.2 R5.1 Z4.11
Net-(Z6-CP1..3): Z6.1 Z6.12 Z31.13
Net-(Z7-R0(1)): Z7.2 Z7.3 Z26.10
Net-(Z12-A->B): Z12.1 Z40.11
Net-(Z12-CE): Z12.19 Z51.3
Net-(Z13-Za): R105.2 Z13.4
Net-(Z13-Zb): R106.2 Z13.7
Net-(Z13-Zc): R102.2 Z13.9
Net-(Z14-Za): R104.2 Z14.4
Net-(Z14-Zb): R107.2 Z14.7
Net-(Z14-Zc): R108.2 Z14.9
Net-(Z14-Zd): R103.2 Z14.12
Net-(Z15-A0): R104.1 Z15.5 Z16.5 Z17.5 Z18.5 Z19.5 Z20.5 Z21.5 Z22.5
Net-(Z15-A1): R107.1 Z15.7 Z16.7 Z17.7 Z18.7 Z19.7 Z20.7 Z21.7 Z22.7
Net-(Z15-A2): R108.1 Z15.6 Z16.6 Z17.6 Z18.6 Z19.6 Z20.6 Z21.6 Z22.6
Net-(Z15-A3): R103.1 Z15.12 Z16.12 Z17.12 Z18.12 Z19.12 Z20.12 Z21.12 Z22.12
Net-(Z15-A4): R105.1 Z15.11 Z16.11 Z17.11 Z18.11 Z19.11 Z20.11 Z21.11 Z22.11
Net-(Z15-A5): R106.1 Z15.10 Z16.10 Z17.10 Z18.10 Z19.10 Z20.10 Z21.10 Z22.10
Net-(Z15-A6): R102.1 Z15.13 Z16.13 Z17.13 Z18.13 Z19.13 Z20.13 Z21.13 Z22.13
Net-(Z15-~{CAS}): R101.1 Z15.15 Z16.15 Z17.15 Z18.15 Z19.15 Z20.15 Z21.15 Z22.15
Net-(Z15-~{RAS}): R109.1 Z15.4 Z16.4 Z17.4 Z18.4 Z19.4 Z20.4 Z21.4 Z22.4
Net-(Z15-~{WR}): R110.1 Z15.3 Z16.3 Z17.3 Z18.3 Z19.3 Z20.3 Z21.3 Z22.3
Net-(Z25A-+): R35.2 Z25.1
Net-(Z25A--): R44.2 R45.1 Z25.6
Net-(Z25B-+): R36.1 R38.2 Z25.2
Net-(Z25B--): R43.2 Z25.3
Net-(Z25C-+): R46.2 Z25.13
Net-(Z25C--): R47.2 Z25.8
Net-(Z25D-+): R33.2 Z25.12
Net-(Z25D--): R50.2 R51.1 Z25.11
Net-(Z25E-V+): C19.2 R39.1 Z25.14
Net-(Z26-Pad1): Z5.6 Z26.1
Net-(Z26-Pad11): Z5.12 Z26.11
Net-(Z26-Pad13): Z5.8 Z26.13
Net-(Z27-I0c): Z6.9 Z27.11 Z31.12
Net-(Z27-I1b): Z6.8 Z27.6 Z27.10
Net-(Z28-R0(1)): Z26.12 Z28.2 Z28.3
Net-(Z29-I1b): R48.2 Z29.6 Z29.13
Net-(Z31-Pad4): Z31.4 Z31.8 Z59.4
Net-(Z31-Pad6): Z31.6 Z31.9
Net-(Z32-Pad1): Z32.1 Z32.6
Net-(Z32-Pad2): Z32.2 Z32.8
Net-(Z32-Pad10): Z32.4 Z32.10 Z32.11
Net-(Z32-Pad12): Z32.9 Z32.12 Z52.8
Net-(Z33-Pad12): Z33.12 Z52.13
Net-(Z35-R0(1)): Z26.2 Z35.2 Z35.3
Net-(Z37-D0): Z37.12 Z38.12 Z57.4
Net-(Z37-D1): Z37.13 Z38.13 Z57.5
Net-(Z37-D2): Z37.14 Z38.14 Z57.10
Net-(Z37-D3): Z37.15 Z38.15 Z57.11
Net-(Z37-D4): Z37.16 Z38.16 Z57.12
Net-(Z39-Za): Z39.7 Z58.11 Z58.12 Z58.14
Net-(Z39-Zb): Z39.9 Z58.4 Z58.5 Z58.10
Net-(Z40-Pad2): Z40.2 Z40.4 Z41.8
Net-(Z40-Pad9): Z40.9 Z60.12
Net-(Z44-Pad3): Z44.3 Z45.3
Net-(Z44-Pad11): Z44.11 Z64.12
Net-(Z45-Pad1): Z45.1 Z46.3
Net-(Z45-Pad12): Z45.12 Z46.13 Z47.3
Net-(Z46-Pad2): Z46.2 Z51.12
Net-(Z47-Pad12): Z47.8 Z47.12 Z47.13
Net-(Z48-~{HALT}): Z47.5 Z48.18
Net-(Z48-~{IORQ}): Z48.20 Z64.9 Z67.5 Z67.9
Net-(Z48-~{M1}): Z48.27 Z64.10
Net-(Z48-~{NMI}): Z45.10 Z48.17
Net-(Z48-~{RD}): Z44.10 Z47.9 Z48.21 Z67.10 Z67.12
Net-(Z48-~{RESET}): Z46.12 Z48.26
Net-(Z48-~{WR}): Z44.9 Z48.22 Z67.1 Z67.4
Net-(Z49-OEa): Z30.1 Z46.10 Z49.1 Z49.19 Z66.1 Z68.1 Z68.19
Net-(Z50-Pad10): Z50.10 Z55.4 Z55.12
Net-(Z52-Pad3): Z52.3 Z52.4
Net-(Z52-Pad6): Z52.6 Z52.9
Net-(Z52-Pad11): Z52.5 Z52.11
Net-(Z53B-~{R}): R66.1 Z53.13
Net-(Z56-D1): Z54.1 Z56.5
Net-(Z57-Clk): Z50.12 Z57.7 Z58.7
Net-(Z57-Clr): R68.1 Z57.9 Z58.9
Net-(Z57-PE): Z55.6 Z57.15
Net-(Z57-Qh): Z54.11 Z57.13
Net-(Z58-PE): Z55.8 Z58.15
Net-(Z58-Qh): Z54.12 Z58.13
Net-(Z60-Pad1): Z60.1 Z60.6
Net-(Z61A-E): Z61.1 Z64.3
Net-(Z61A-O3): Z61.7 Z61.15
Net-(Z62A-D): Z51.11 Z62.2
Net-(Z62A-Q): Z32.5 Z32.13 Z62.5
Net-(Z63A-Q): Z63.5 Z63.12
Net-(Z64-Pad13): Z64.2 Z64.6 Z64.13

Pads without a net: J1 5; J2 2 3; K1 5; Q6 4; S2 1 2 3; Z1 1 8 9 14; Z2 1 8 9 14; Z4 3 7 10 14; Z6 2 3 4 11 13; Z7 4 6 7 13; Z13 12 13 14; Z26 3 4 5 6 8 9; Z28 4 6 7 13; Z31 1 2 3; Z33 1 2 3 4 5 6 8 9; Z34 4 6 7 11 13; Z35 4 6 7 13; Z39 3 13; Z41 9 10 13; Z44 4 5 6; Z45 4 5 6; Z46 5 6; Z48 23 28; Z50 1 2; Z51 4 5 6 8 9 10; Z53 9; Z54 4 5 6 8 9 10; Z55 3 11; Z56 6 10 14; Z59 6 7 9 10 11 12; Z61 11; Z62 6 9; Z63 6 8; Z65 2 3 4 9 11 13; Z66 9 10

## Via types
v1: diameter 2, hole 1, Top to Bottom, 72 vias
v2: diameter 1.7, hole 1, Top to Bottom, 613 vias
v3: diameter 2.5, hole 1, Top to Bottom, 51 vias
v4: diameter 5, hole 1, Top to Bottom, 1 via
